# Allegro board LED_FIN.brd (continued)
## Routing (per net, layer and track width the routed paths; a pad name or vN(x,y) marks a point on that pad's centre or on a via; arc(x,y) is an arc through that point) (continued)
COL_OUT_A93: length 259.4
  TOP w0.15: D297.1 v1(91.25,374.8) ; D57.1 v1(91.25,390.8) ; D447.1 v1(91.25,364.8) ; D837.1 v1(91.25,338.8) ; D537.1 v1(91.25,358.8) ; D1017.1 v1(91.25,326.8) ; v1(89.95,161.1) R27.1 ; D1077.1 v1(91.25,322.8) ; D357.1 v1(91.25,370.8) ; D657.1 v1(91.25,350.8) ; D117.1 v1(91.25,386.8) ; D897.1 v1(91.25,334.8) ; D1047.1 v1(91.25,324.8) ; D267.1 v1(91.25,376.8) ; D687.1 v1(91.25,348.8) ; D567.1 v1(91.25,356.8) ; D597.1 v1(91.25,354.8) ; D417.1 v1(91.25,366.8) ; D477.1 v1(91.25,362.8) ; D177.1 v1(91.25,382.8) ; D867.1 v1(91.25,336.8) ; D987.1 v1(91.25,328.8) ; D87.1 v1(91.25,388.8) ; D27.1 v1(91.25,392.8) ; D747.1 v1(91.25,344.8) ; D807.1 v1(91.25,340.8) ; D507.1 v1(91.25,360.8) ; D147.1 v1(91.25,384.8) ; D627.1 v1(91.25,352.8) ; D387.1 v1(91.25,368.8) ; D957.1 v1(91.25,330.8) ; D237.1 v1(91.25,378.8) ; D1137.1 v1(91.25,318.8) ; D927.1 v1(91.25,332.8) ; D717.1 v1(91.25,346.8) ; D207.1 v1(91.25,380.8) ; D327.1 v1(91.25,372.8) ; D1107.1 v1(91.25,320.8) ; D777.1 v1(91.25,342.8)
  BOTTOM w0.15: v1(91.25,392.8) v1(91.25,390.8) v1(91.25,388.8) v1(91.25,386.8) v1(91.25,384.8) v1(91.25,382.8) v1(91.25,380.8) v1(91.25,378.8) v1(91.25,376.8) v1(91.25,374.8) v1(91.25,372.8) v1(91.25,370.8) v1(91.25,368.8) v1(91.25,366.8) v1(91.25,364.8) v1(91.25,362.8) v1(91.25,360.8) v1(91.25,358.8) v1(91.25,356.8) v1(91.25,354.8) v1(91.25,352.8) v1(91.25,350.8) v1(91.25,348.8) v1(91.25,346.8) v1(91.25,344.8) v1(91.25,342.8) v1(91.25,340.8) v1(91.25,338.8) v1(91.25,336.8) v1(91.25,334.8) v1(91.25,332.8) v1(91.25,330.8) v1(91.25,328.8) v1(91.25,326.8) v1(91.25,324.8) v1(91.25,322.8) v1(91.25,320.8) v1(91.25,318.8) 89.95,317.5 v1(89.95,161.1)
COL_OUT_A94: length 259.4
  TOP w0.15: D86.1 v1(89.25,388.8) ; D686.1 v1(89.25,348.8) ; D176.1 v1(89.25,382.8) ; D836.1 v1(89.25,338.8) ; D296.1 v1(89.25,374.8) ; D1076.1 v1(89.25,322.8) ; D416.1 v1(89.25,366.8) ; D1046.1 v1(89.25,324.8) ; D356.1 v1(89.25,370.8) ; D26.1 v1(89.25,392.8) ; D1136.1 v1(89.25,318.8) ; D716.1 v1(89.25,346.8) ; D896.1 v1(89.25,334.8) ; D926.1 v1(89.25,332.8) ; D536.1 v1(89.25,358.8) ; D206.1 v1(89.25,380.8) ; D626.1 v1(89.25,352.8) ; D806.1 v1(89.25,340.8) ; D116.1 v1(89.25,386.8) ; D776.1 v1(89.25,342.8) ; D986.1 v1(89.25,328.8) ; D506.1 v1(89.25,360.8) ; v1(87.95,161.1) R26.1 ; D326.1 v1(89.25,372.8) ; D566.1 v1(89.25,356.8) ; D386.1 v1(89.25,368.8) ; D656.1 v1(89.25,350.8) ; D476.1 v1(89.25,362.8) ; D746.1 v1(89.25,344.8) ; D236.1 v1(89.25,378.8) ; D446.1 v1(89.25,364.8) ; D56.1 v1(89.25,390.8) ; D866.1 v1(89.25,336.8) ; D1016.1 v1(89.25,326.8) ; D596.1 v1(89.25,354.8) ; D1106.1 v1(89.25,320.8) ; D146.1 v1(89.25,384.8) ; D266.1 v1(89.25,376.8) ; D956.1 v1(89.25,330.8)
  BOTTOM w0.15: v1(87.95,161.1) 87.95,317.5 v1(89.25,318.8) v1(89.25,320.8) v1(89.25,322.8) v1(89.25,324.8) v1(89.25,326.8) v1(89.25,328.8) v1(89.25,330.8) v1(89.25,332.8) v1(89.25,334.8) v1(89.25,336.8) v1(89.25,338.8) v1(89.25,340.8) v1(89.25,342.8) v1(89.25,344.8) v1(89.25,346.8) v1(89.25,348.8) v1(89.25,350.8) v1(89.25,352.8) v1(89.25,354.8) v1(89.25,356.8) v1(89.25,358.8) v1(89.25,360.8) v1(89.25,362.8) v1(89.25,364.8) v1(89.25,366.8) v1(89.25,368.8) v1(89.25,370.8) v1(89.25,372.8) v1(89.25,374.8) v1(89.25,376.8) v1(89.25,378.8) v1(89.25,380.8) v1(89.25,382.8) v1(89.25,384.8) v1(89.25,386.8) v1(89.25,388.8) v1(89.25,390.8) v1(89.25,392.8)
COL_OUT_A95: length 259.4
  TOP w0.15: D1105.1 v1(87.25,320.8) ; D355.1 v1(87.25,370.8) ; D895.1 v1(87.25,334.8) ; D775.1 v1(87.25,342.8) ; D955.1 v1(87.25,330.8) ; D175.1 v1(87.25,382.8) ; D925.1 v1(87.25,332.8) ; D1015.1 v1(87.25,326.8) ; D55.1 v1(87.25,390.8) ; D385.1 v1(87.25,368.8) ; D835.1 v1(87.25,338.8) ; D205.1 v1(87.25,380.8) ; D1075.1 v1(87.25,322.8) ; D535.1 v1(87.25,358.8) ; D1045.1 v1(87.25,324.8) ; D565.1 v1(87.25,356.8) ; D25.1 v1(87.25,392.8) ; D445.1 v1(87.25,364.8) ; D745.1 v1(87.25,344.8) ; D715.1 v1(87.25,346.8) ; D595.1 v1(87.25,354.8) ; D235.1 v1(87.25,378.8) ; D85.1 v1(87.25,388.8) ; D265.1 v1(87.25,376.8) ; D685.1 v1(87.25,348.8) ; D865.1 v1(87.25,336.8) ; D415.1 v1(87.25,366.8) ; D475.1 v1(87.25,362.8) ; v1(85.95,161.1) R25.1 ; D1135.1 v1(87.25,318.8) ; D145.1 v1(87.25,384.8) ; D625.1 v1(87.25,352.8) ; D805.1 v1(87.25,340.8) ; D985.1 v1(87.25,328.8) ; D325.1 v1(87.25,372.8) ; D115.1 v1(87.25,386.8) ; D505.1 v1(87.25,360.8) ; D655.1 v1(87.25,350.8) ; D295.1 v1(87.25,374.8)
  BOTTOM w0.15: v1(85.95,161.1) 85.95,317.5 v1(87.25,318.8) v1(87.25,320.8) v1(87.25,322.8) v1(87.25,324.8) v1(87.25,326.8) v1(87.25,328.8) v1(87.25,330.8) v1(87.25,332.8) v1(87.25,334.8) v1(87.25,336.8) v1(87.25,338.8) v1(87.25,340.8) v1(87.25,342.8) v1(87.25,344.8) v1(87.25,346.8) v1(87.25,348.8) v1(87.25,350.8) v1(87.25,352.8) v1(87.25,354.8) v1(87.25,356.8) v1(87.25,358.8) v1(87.25,360.8) v1(87.25,362.8) v1(87.25,364.8) v1(87.25,366.8) v1(87.25,368.8) v1(87.25,370.8) v1(87.25,372.8) v1(87.25,374.8) v1(87.25,376.8) v1(87.25,378.8) v1(87.25,380.8) v1(87.25,382.8) v1(87.25,384.8) v1(87.25,386.8) v1(87.25,388.8) v1(87.25,390.8) v1(87.25,392.8)
COL_OUT_A96: length 259.4
  TOP w0.15: D804.1 v1(85.25,340.8) ; D474.1 v1(85.25,362.8) ; D624.1 v1(85.25,352.8) ; D84.1 v1(85.25,388.8) ; D444.1 v1(85.25,364.8) ; D654.1 v1(85.25,350.8) ; D24.1 v1(85.25,392.8) ; D1104.1 v1(85.25,320.8) ; D354.1 v1(85.25,370.8) ; D1074.1 v1(85.25,322.8) ; D924.1 v1(85.25,332.8) ; D504.1 v1(85.25,360.8) ; D534.1 v1(85.25,358.8) ; D714.1 v1(85.25,346.8) ; D174.1 v1(85.25,382.8) ; D234.1 v1(85.25,378.8) ; D264.1 v1(85.25,376.8) ; D384.1 v1(85.25,368.8) ; D774.1 v1(85.25,342.8) ; D294.1 v1(85.25,374.8) ; v1(83.95,161.1) R24.1 ; D894.1 v1(85.25,334.8) ; D1134.1 v1(85.25,318.8) ; D1044.1 v1(85.25,324.8) ; D984.1 v1(85.25,328.8) ; D684.1 v1(85.25,348.8) ; D564.1 v1(85.25,356.8) ; D114.1 v1(85.25,386.8) ; D324.1 v1(85.25,372.8) ; D204.1 v1(85.25,380.8) ; D864.1 v1(85.25,336.8) ; D594.1 v1(85.25,354.8) ; D54.1 v1(85.25,390.8) ; D954.1 v1(85.25,330.8) ; D1014.1 v1(85.25,326.8) ; D744.1 v1(85.25,344.8) ; D414.1 v1(85.25,366.8) ; D834.1 v1(85.25,338.8) ; D144.1 v1(85.25,384.8)
  BOTTOM w0.15: v1(85.25,392.8) v1(85.25,390.8) v1(85.25,388.8) v1(85.25,386.8) v1(85.25,384.8) v1(85.25,382.8) v1(85.25,380.8) v1(85.25,378.8) v1(85.25,376.8) v1(85.25,374.8) v1(85.25,372.8) v1(85.25,370.8) v1(85.25,368.8) v1(85.25,366.8) v1(85.25,364.8) v1(85.25,362.8) v1(85.25,360.8) v1(85.25,358.8) v1(85.25,356.8) v1(85.25,354.8) v1(85.25,352.8) v1(85.25,350.8) v1(85.25,348.8) v1(85.25,346.8) v1(85.25,344.8) v1(85.25,342.8) v1(85.25,340.8) v1(85.25,338.8) v1(85.25,336.8) v1(85.25,334.8) v1(85.25,332.8) v1(85.25,330.8) v1(85.25,328.8) v1(85.25,326.8) v1(85.25,324.8) v1(85.25,322.8) v1(85.25,320.8) v1(85.25,318.8) 83.95,317.5 v1(83.95,161.1)
COL_OUT_A97: length 259.4
  TOP w0.15: D1073.1 v1(83.25,322.8) ; D443.1 v1(83.25,364.8) ; D113.1 v1(83.25,386.8) ; D383.1 v1(83.25,368.8) ; D593.1 v1(83.25,354.8) ; D533.1 v1(83.25,358.8) ; D743.1 v1(83.25,344.8) ; D203.1 v1(83.25,380.8) ; D413.1 v1(83.25,366.8) ; D23.1 v1(83.25,392.8) ; D473.1 v1(83.25,362.8) ; D623.1 v1(83.25,352.8) ; D83.1 v1(83.25,388.8) ; D503.1 v1(83.25,360.8) ; D263.1 v1(83.25,376.8) ; D833.1 v1(83.25,338.8) ; D1013.1 v1(83.25,326.8) ; D293.1 v1(83.25,374.8) ; D233.1 v1(83.25,378.8) ; D1103.1 v1(83.25,320.8) ; D653.1 v1(83.25,350.8) ; D773.1 v1(83.25,342.8) ; D563.1 v1(83.25,356.8) ; D893.1 v1(83.25,334.8) ; D983.1 v1(83.25,328.8) ; D1043.1 v1(83.25,324.8) ; D173.1 v1(83.25,382.8) ; D803.1 v1(83.25,340.8) ; D143.1 v1(83.25,384.8) ; D923.1 v1(83.25,332.8) ; D953.1 v1(83.25,330.8) ; D713.1 v1(83.25,346.8) ; D683.1 v1(83.25,348.8) ; D323.1 v1(83.25,372.8) ; D863.1 v1(83.25,336.8) ; D353.1 v1(83.25,370.8) ; v1(81.95,161.1) R23.1 ; D53.1 v1(83.25,390.8) ; D1133.1 v1(83.25,318.8)
  BOTTOM w0.15: v1(81.95,161.1) 81.95,317.5 v1(83.25,318.8) v1(83.25,320.8) v1(83.25,322.8) v1(83.25,324.8) v1(83.25,326.8) v1(83.25,328.8) v1(83.25,330.8) v1(83.25,332.8) v1(83.25,334.8) v1(83.25,336.8) v1(83.25,338.8) v1(83.25,340.8) v1(83.25,342.8) v1(83.25,344.8) v1(83.25,346.8) v1(83.25,348.8) v1(83.25,350.8) v1(83.25,352.8) v1(83.25,354.8) v1(83.25,356.8) v1(83.25,358.8) v1(83.25,360.8) v1(83.25,362.8) v1(83.25,364.8) v1(83.25,366.8) v1(83.25,368.8) v1(83.25,370.8) v1(83.25,372.8) v1(83.25,374.8) v1(83.25,376.8) v1(83.25,378.8) v1(83.25,380.8) v1(83.25,382.8) v1(83.25,384.8) v1(83.25,386.8) v1(83.25,388.8) v1(83.25,390.8) v1(83.25,392.8)
COL_OUT_A98: length 259.4
  TOP w0.15: D172.1 v1(81.25,382.8) ; D1102.1 v1(81.25,320.8) ; D652.1 v1(81.25,350.8) ; D832.1 v1(81.25,338.8) ; D292.1 v1(81.25,374.8) ; D682.1 v1(81.25,348.8) ; D952.1 v1(81.25,330.8) ; D202.1 v1(81.25,380.8) ; D322.1 v1(81.25,372.8) ; D1132.1 v1(81.25,318.8) ; D232.1 v1(81.25,378.8) ; v1(79.95,161.1) R22.1 ; D1042.1 v1(81.25,324.8) ; D592.1 v1(81.25,354.8) ; D22.1 v1(81.25,392.8) ; D442.1 v1(81.25,364.8) ; D802.1 v1(81.25,340.8) ; D862.1 v1(81.25,336.8) ; D712.1 v1(81.25,346.8) ; D1072.1 v1(81.25,322.8) ; D1012.1 v1(81.25,326.8) ; D472.1 v1(81.25,362.8) ; D412.1 v1(81.25,366.8) ; D892.1 v1(81.25,334.8) ; D262.1 v1(81.25,376.8) ; D142.1 v1(81.25,384.8) ; D742.1 v1(81.25,344.8) ; D562.1 v1(81.25,356.8) ; D112.1 v1(81.25,386.8) ; D502.1 v1(81.25,360.8) ; D982.1 v1(81.25,328.8) ; D922.1 v1(81.25,332.8) ; D532.1 v1(81.25,358.8) ; D352.1 v1(81.25,370.8) ; D622.1 v1(81.25,352.8) ; D772.1 v1(81.25,342.8) ; D82.1 v1(81.25,388.8) ; D382.1 v1(81.25,368.8) ; D52.1 v1(81.25,390.8)
  BOTTOM w0.15: v1(81.25,392.8) v1(81.25,390.8) v1(81.25,388.8) v1(81.25,386.8) v1(81.25,384.8) v1(81.25,382.8) v1(81.25,380.8) v1(81.25,378.8) v1(81.25,376.8) v1(81.25,374.8) v1(81.25,372.8) v1(81.25,370.8) v1(81.25,368.8) v1(81.25,366.8) v1(81.25,364.8) v1(81.25,362.8) v1(81.25,360.8) v1(81.25,358.8) v1(81.25,356.8) v1(81.25,354.8) v1(81.25,352.8) v1(81.25,350.8) v1(81.25,348.8) v1(81.25,346.8) v1(81.25,344.8) v1(81.25,342.8) v1(81.25,340.8) v1(81.25,338.8) v1(81.25,336.8) v1(81.25,334.8) v1(81.25,332.8) v1(81.25,330.8) v1(81.25,328.8) v1(81.25,326.8) v1(81.25,324.8) v1(81.25,322.8) v1(81.25,320.8) v1(81.25,318.8) 79.95,317.5 v1(79.95,161.1)
COL_OUT_A99: length 259.4
  TOP w0.15: D321.1 v1(79.25,372.8) ; D1131.1 v1(79.25,318.8) ; D801.1 v1(79.25,340.8) ; D561.1 v1(79.25,356.8) ; D411.1 v1(79.25,366.8) ; D591.1 v1(79.25,354.8) ; D201.1 v1(79.25,380.8) ; D651.1 v1(79.25,350.8) ; D171.1 v1(79.25,382.8) ; D381.1 v1(79.25,368.8) ; D771.1 v1(79.25,342.8) ; D501.1 v1(79.25,360.8) ; D81.1 v1(79.25,388.8) ; v1(77.95,161.1) R21.1 ; D441.1 v1(79.25,364.8) ; D261.1 v1(79.25,376.8) ; D891.1 v1(79.25,334.8) ; D1041.1 v1(79.25,324.8) ; D231.1 v1(79.25,378.8) ; D1101.1 v1(79.25,320.8) ; D1071.1 v1(79.25,322.8) ; D921.1 v1(79.25,332.8) ; D1011.1 v1(79.25,326.8) ; D951.1 v1(79.25,330.8) ; D861.1 v1(79.25,336.8) ; D981.1 v1(79.25,328.8) ; D291.1 v1(79.25,374.8) ; D621.1 v1(79.25,352.8) ; D471.1 v1(79.25,362.8) ; D21.1 v1(79.25,392.8) ; D531.1 v1(79.25,358.8) ; D51.1 v1(79.25,390.8) ; D741.1 v1(79.25,344.8) ; D351.1 v1(79.25,370.8) ; D681.1 v1(79.25,348.8) ; D711.1 v1(79.25,346.8) ; D831.1 v1(79.25,338.8) ; D111.1 v1(79.25,386.8) ; D141.1 v1(79.25,384.8)
  BOTTOM w0.15: v1(77.95,161.1) 77.95,317.5 v1(79.25,318.8) v1(79.25,320.8) v1(79.25,322.8) v1(79.25,324.8) v1(79.25,326.8) v1(79.25,328.8) v1(79.25,330.8) v1(79.25,332.8) v1(79.25,334.8) v1(79.25,336.8) v1(79.25,338.8) v1(79.25,340.8) v1(79.25,342.8) v1(79.25,344.8) v1(79.25,346.8) v1(79.25,348.8) v1(79.25,350.8) v1(79.25,352.8) v1(79.25,354.8) v1(79.25,356.8) v1(79.25,358.8) v1(79.25,360.8) v1(79.25,362.8) v1(79.25,364.8) v1(79.25,366.8) v1(79.25,368.8) v1(79.25,370.8) v1(79.25,372.8) v1(79.25,374.8) v1(79.25,376.8) v1(79.25,378.8) v1(79.25,380.8) v1(79.25,382.8) v1(79.25,384.8) v1(79.25,386.8) v1(79.25,388.8) v1(79.25,390.8) v1(79.25,392.8)
COL_OUT_A100: length 259.4
  TOP w0.15: D1040.1 v1(77.25,324.8) ; D350.1 v1(77.25,370.8) ; D80.1 v1(77.25,388.8) ; D410.1 v1(77.25,366.8) ; v1(75.95,161.1) R20.1 ; D170.1 v1(77.25,382.8) ; D890.1 v1(77.25,334.8) ; D110.1 v1(77.25,386.8) ; D800.1 v1(77.25,340.8) ; D320.1 v1(77.25,372.8) ; D200.1 v1(77.25,380.8) ; D1010.1 v1(77.25,326.8) ; D470.1 v1(77.25,362.8) ; D290.1 v1(77.25,374.8) ; D620.1 v1(77.25,352.8) ; D140.1 v1(77.25,384.8) ; D20.1 v1(77.25,392.8) ; D1100.1 v1(77.25,320.8) ; D530.1 v1(77.25,358.8) ; D560.1 v1(77.25,356.8) ; D920.1 v1(77.25,332.8) ; D830.1 v1(77.25,338.8) ; D260.1 v1(77.25,376.8) ; D230.1 v1(77.25,378.8) ; D740.1 v1(77.25,344.8) ; D770.1 v1(77.25,342.8) ; D950.1 v1(77.25,330.8) ; D980.1 v1(77.25,328.8) ; D680.1 v1(77.25,348.8) ; D590.1 v1(77.25,354.8) ; D650.1 v1(77.25,350.8) ; D1070.1 v1(77.25,322.8) ; D860.1 v1(77.25,336.8) ; D440.1 v1(77.25,364.8) ; D380.1 v1(77.25,368.8) ; D50.1 v1(77.25,390.8) ; D1130.1 v1(77.25,318.8) ; D500.1 v1(77.25,360.8) ; D710.1 v1(77.25,346.8)
  BOTTOM w0.15: v1(75.95,161.1) 75.95,317.5 v1(77.25,318.8) v1(77.25,320.8) v1(77.25,322.8) v1(77.25,324.8) v1(77.25,326.8) v1(77.25,328.8) v1(77.25,330.8) v1(77.25,332.8) v1(77.25,334.8) v1(77.25,336.8) v1(77.25,338.8) v1(77.25,340.8) v1(77.25,342.8) v1(77.25,344.8) v1(77.25,346.8) v1(77.25,348.8) v1(77.25,350.8) v1(77.25,352.8) v1(77.25,354.8) v1(77.25,356.8) v1(77.25,358.8) v1(77.25,360.8) v1(77.25,362.8) v1(77.25,364.8) v1(77.25,366.8) v1(77.25,368.8) v1(77.25,370.8) v1(77.25,372.8) v1(77.25,374.8) v1(77.25,376.8) v1(77.25,378.8) v1(77.25,380.8) v1(77.25,382.8) v1(77.25,384.8) v1(77.25,386.8) v1(77.25,388.8) v1(77.25,390.8) v1(77.25,392.8)
COL_OUT_A101: length 259.4
  TOP w0.15: D499.1 v1(75.25,360.8) ; D289.1 v1(75.25,374.8) ; D829.1 v1(75.25,338.8) ; D529.1 v1(75.25,358.8) ; D109.1 v1(75.25,386.8) ; D919.1 v1(75.25,332.8) ; D949.1 v1(75.25,330.8) ; D199.1 v1(75.25,380.8) ; D349.1 v1(75.25,370.8) ; D19.1 v1(75.25,392.8) ; D619.1 v1(75.25,352.8) ; D979.1 v1(75.25,328.8) ; D229.1 v1(75.25,378.8) ; D799.1 v1(75.25,340.8) ; D859.1 v1(75.25,336.8) ; D319.1 v1(75.25,372.8) ; D79.1 v1(75.25,388.8) ; D169.1 v1(75.25,382.8) ; v1(73.95,161.1) R19.1 ; D1069.1 v1(75.25,322.8) ; D139.1 v1(75.25,384.8) ; D1009.1 v1(75.25,326.8) ; D259.1 v1(75.25,376.8) ; D379.1 v1(75.25,368.8) ; D1099.1 v1(75.25,320.8) ; D1039.1 v1(75.25,324.8) ; D49.1 v1(75.25,390.8) ; D739.1 v1(75.25,344.8) ; D469.1 v1(75.25,362.8) ; D889.1 v1(75.25,334.8) ; D589.1 v1(75.25,354.8) ; D769.1 v1(75.25,342.8) ; D559.1 v1(75.25,356.8) ; D649.1 v1(75.25,350.8) ; D1129.1 v1(75.25,318.8) ; D409.1 v1(75.25,366.8) ; D709.1 v1(75.25,346.8) ; D679.1 v1(75.25,348.8) ; D439.1 v1(75.25,364.8)
  BOTTOM w0.15: v1(73.95,161.1) 73.95,317.5 v1(75.25,318.8) v1(75.25,320.8) v1(75.25,322.8) v1(75.25,324.8) v1(75.25,326.8) v1(75.25,328.8) v1(75.25,330.8) v1(75.25,332.8) v1(75.25,334.8) v1(75.25,336.8) v1(75.25,338.8) v1(75.25,340.8) v1(75.25,342.8) v1(75.25,344.8) v1(75.25,346.8) v1(75.25,348.8) v1(75.25,350.8) v1(75.25,352.8) v1(75.25,354.8) v1(75.25,356.8) v1(75.25,358.8) v1(75.25,360.8) v1(75.25,362.8) v1(75.25,364.8) v1(75.25,366.8) v1(75.25,368.8) v1(75.25,370.8) v1(75.25,372.8) v1(75.25,374.8) v1(75.25,376.8) v1(75.25,378.8) v1(75.25,380.8) v1(75.25,382.8) v1(75.25,384.8) v1(75.25,386.8) v1(75.25,388.8) v1(75.25,390.8) v1(75.25,392.8)
COL_OUT_A102: length 259.4
  TOP w0.15: D618.1 v1(73.25,352.8) ; D168.1 v1(73.25,382.8) ; D468.1 v1(73.25,362.8) ; D738.1 v1(73.25,344.8) ; D888.1 v1(73.25,334.8) ; D228.1 v1(73.25,378.8) ; D528.1 v1(73.25,358.8) ; D48.1 v1(73.25,390.8) ; v1(71.95,161.1) R18.1 ; D498.1 v1(73.25,360.8) ; D588.1 v1(73.25,354.8) ; D858.1 v1(73.25,336.8) ; D138.1 v1(73.25,384.8) ; D948.1 v1(73.25,330.8) ; D678.1 v1(73.25,348.8) ; D258.1 v1(73.25,376.8) ; D348.1 v1(73.25,370.8) ; D318.1 v1(73.25,372.8) ; D108.1 v1(73.25,386.8) ; D918.1 v1(73.25,332.8) ; D558.1 v1(73.25,356.8) ; D438.1 v1(73.25,364.8) ; D78.1 v1(73.25,388.8) ; D978.1 v1(73.25,328.8) ; D828.1 v1(73.25,338.8) ; D648.1 v1(73.25,350.8) ; D708.1 v1(73.25,346.8) ; D18.1 v1(73.25,392.8) ; D378.1 v1(73.25,368.8) ; D798.1 v1(73.25,340.8) ; D1008.1 v1(73.25,326.8) ; D1038.1 v1(73.25,324.8) ; D408.1 v1(73.25,366.8) ; D768.1 v1(73.25,342.8) ; D288.1 v1(73.25,374.8) ; D1128.1 v1(73.25,318.8) ; D1098.1 v1(73.25,320.8) ; D198.1 v1(73.25,380.8) ; D1068.1 v1(73.25,322.8)
  BOTTOM w0.15: v1(73.25,392.8) v1(73.25,390.8) v1(73.25,388.8) v1(73.25,386.8) v1(73.25,384.8) v1(73.25,382.8) v1(73.25,380.8) v1(73.25,378.8) v1(73.25,376.8) v1(73.25,374.8) v1(73.25,372.8) v1(73.25,370.8) v1(73.25,368.8) v1(73.25,366.8) v1(73.25,364.8) v1(73.25,362.8) v1(73.25,360.8) v1(73.25,358.8) v1(73.25,356.8) v1(73.25,354.8) v1(73.25,352.8) v1(73.25,350.8) v1(73.25,348.8) v1(73.25,346.8) v1(73.25,344.8) v1(73.25,342.8) v1(73.25,340.8) v1(73.25,338.8) v1(73.25,336.8) v1(73.25,334.8) v1(73.25,332.8) v1(73.25,330.8) v1(73.25,328.8) v1(73.25,326.8) v1(73.25,324.8) v1(73.25,322.8) v1(73.25,320.8) v1(73.25,318.8) 71.95,317.5 v1(71.95,161.1)
COL_OUT_A103: length 259.4
  TOP w0.15: D647.1 v1(71.25,350.8) ; D587.1 v1(71.25,354.8) ; D947.1 v1(71.25,330.8) ; D107.1 v1(71.25,386.8) ; D347.1 v1(71.25,370.8) ; D1067.1 v1(71.25,322.8) ; D617.1 v1(71.25,352.8) ; D1127.1 v1(71.25,318.8) ; D407.1 v1(71.25,366.8) ; D227.1 v1(71.25,378.8) ; D167.1 v1(71.25,382.8) ; D1007.1 v1(71.25,326.8) ; v1(69.95,161.1) R17.1 ; D437.1 v1(71.25,364.8) ; D917.1 v1(71.25,332.8) ; D77.1 v1(71.25,388.8) ; D317.1 v1(71.25,372.8) ; D677.1 v1(71.25,348.8) ; D467.1 v1(71.25,362.8) ; D887.1 v1(71.25,334.8) ; D257.1 v1(71.25,376.8) ; D197.1 v1(71.25,380.8) ; D287.1 v1(71.25,374.8) ; D797.1 v1(71.25,340.8) ; D1037.1 v1(71.25,324.8) ; D497.1 v1(71.25,360.8) ; D47.1 v1(71.25,390.8) ; D1097.1 v1(71.25,320.8) ; D557.1 v1(71.25,356.8) ; D17.1 v1(71.25,392.8) ; D827.1 v1(71.25,338.8) ; D857.1 v1(71.25,336.8) ; D137.1 v1(71.25,384.8) ; D707.1 v1(71.25,346.8) ; D527.1 v1(71.25,358.8) ; D767.1 v1(71.25,342.8) ; D977.1 v1(71.25,328.8) ; D377.1 v1(71.25,368.8) ; D737.1 v1(71.25,344.8)
  BOTTOM w0.15: v1(71.25,392.8) v1(71.25,390.8) v1(71.25,388.8) v1(71.25,386.8) v1(71.25,384.8) v1(71.25,382.8) v1(71.25,380.8) v1(71.25,378.8) v1(71.25,376.8) v1(71.25,374.8) v1(71.25,372.8) v1(71.25,370.8) v1(71.25,368.8) v1(71.25,366.8) v1(71.25,364.8) v1(71.25,362.8) v1(71.25,360.8) v1(71.25,358.8) v1(71.25,356.8) v1(71.25,354.8) v1(71.25,352.8) v1(71.25,350.8) v1(71.25,348.8) v1(71.25,346.8) v1(71.25,344.8) v1(71.25,342.8) v1(71.25,340.8) v1(71.25,338.8) v1(71.25,336.8) v1(71.25,334.8) v1(71.25,332.8) v1(71.25,330.8) v1(71.25,328.8) v1(71.25,326.8) v1(71.25,324.8) v1(71.25,322.8) v1(71.25,320.8) v1(71.25,318.8) 69.95,317.5 v1(69.95,161.1)
COL_OUT_A104: length 259.4
  TOP w0.15: D496.1 v1(69.25,360.8) ; D676.1 v1(69.25,348.8) ; D316.1 v1(69.25,372.8) ; D916.1 v1(69.25,332.8) ; D1006.1 v1(69.25,326.8) ; D646.1 v1(69.25,350.8) ; D616.1 v1(69.25,352.8) ; D1036.1 v1(69.25,324.8) ; D1066.1 v1(69.25,322.8) ; D1126.1 v1(69.25,318.8) ; D586.1 v1(69.25,354.8) ; D466.1 v1(69.25,362.8) ; D46.1 v1(69.25,390.8) ; D826.1 v1(69.25,338.8) ; D886.1 v1(69.25,334.8) ; D346.1 v1(69.25,370.8) ; D1096.1 v1(69.25,320.8) ; D946.1 v1(69.25,330.8) ; D556.1 v1(69.25,356.8) ; D136.1 v1(69.25,384.8) ; D706.1 v1(69.25,346.8) ; D166.1 v1(69.25,382.8) ; D76.1 v1(69.25,388.8) ; D286.1 v1(69.25,374.8) ; D856.1 v1(69.25,336.8) ; D436.1 v1(69.25,364.8) ; D16.1 v1(69.25,392.8) ; D736.1 v1(69.25,344.8) ; v1(67.95,161.1) R16.1 ; D196.1 v1(69.25,380.8) ; D376.1 v1(69.25,368.8) ; D766.1 v1(69.25,342.8) ; D256.1 v1(69.25,376.8) ; D526.1 v1(69.25,358.8) ; D226.1 v1(69.25,378.8) ; D976.1 v1(69.25,328.8) ; D796.1 v1(69.25,340.8) ; D406.1 v1(69.25,366.8) ; D106.1 v1(69.25,386.8)
  BOTTOM w0.15: v1(67.95,161.1) 67.95,317.5 v1(69.25,318.8) v1(69.25,320.8) v1(69.25,322.8) v1(69.25,324.8) v1(69.25,326.8) v1(69.25,328.8) v1(69.25,330.8) v1(69.25,332.8) v1(69.25,334.8) v1(69.25,336.8) v1(69.25,338.8) v1(69.25,340.8) v1(69.25,342.8) v1(69.25,344.8) v1(69.25,346.8) v1(69.25,348.8) v1(69.25,350.8) v1(69.25,352.8) v1(69.25,354.8) v1(69.25,356.8) v1(69.25,358.8) v1(69.25,360.8) v1(69.25,362.8) v1(69.25,364.8) v1(69.25,366.8) v1(69.25,368.8) v1(69.25,370.8) v1(69.25,372.8) v1(69.25,374.8) v1(69.25,376.8) v1(69.25,378.8) v1(69.25,380.8) v1(69.25,382.8) v1(69.25,384.8) v1(69.25,386.8) v1(69.25,388.8) v1(69.25,390.8) v1(69.25,392.8)
COL_OUT_A105: length 259.4
  TOP w0.15: D555.1 v1(67.25,356.8) ; D1095.1 v1(67.25,320.8) ; D795.1 v1(67.25,340.8) ; D195.1 v1(67.25,380.8) ; D1005.1 v1(67.25,326.8) ; D75.1 v1(67.25,388.8) ; D615.1 v1(67.25,352.8) ; D375.1 v1(67.25,368.8) ; D675.1 v1(67.25,348.8) ; D735.1 v1(67.25,344.8) ; D495.1 v1(67.25,360.8) ; D525.1 v1(67.25,358.8) ; D1065.1 v1(67.25,322.8) ; D705.1 v1(67.25,346.8) ; D465.1 v1(67.25,362.8) ; D315.1 v1(67.25,372.8) ; D1035.1 v1(67.25,324.8) ; D135.1 v1(67.25,384.8) ; D345.1 v1(67.25,370.8) ; D765.1 v1(67.25,342.8) ; D105.1 v1(67.25,386.8) ; D405.1 v1(67.25,366.8) ; D255.1 v1(67.25,376.8) ; D975.1 v1(67.25,328.8) ; D855.1 v1(67.25,336.8) ; D885.1 v1(67.25,334.8) ; D45.1 v1(67.25,390.8) ; D285.1 v1(67.25,374.8) ; v1(65.95,161.1) R15.1 ; D645.1 v1(67.25,350.8) ; D225.1 v1(67.25,378.8) ; D585.1 v1(67.25,354.8) ; D435.1 v1(67.25,364.8) ; D945.1 v1(67.25,330.8) ; D165.1 v1(67.25,382.8) ; D15.1 v1(67.25,392.8) ; D915.1 v1(67.25,332.8) ; D825.1 v1(67.25,338.8) ; D1125.1 v1(67.25,318.8)
  BOTTOM w0.15: v1(67.25,392.8) v1(67.25,390.8) v1(67.25,388.8) v1(67.25,386.8) v1(67.25,384.8) v1(67.25,382.8) v1(67.25,380.8) v1(67.25,378.8) v1(67.25,376.8) v1(67.25,374.8) v1(67.25,372.8) v1(67.25,370.8) v1(67.25,368.8) v1(67.25,366.8) v1(67.25,364.8) v1(67.25,362.8) v1(67.25,360.8) v1(67.25,358.8) v1(67.25,356.8) v1(67.25,354.8) v1(67.25,352.8) v1(67.25,350.8) v1(67.25,348.8) v1(67.25,346.8) v1(67.25,344.8) v1(67.25,342.8) v1(67.25,340.8) v1(67.25,338.8) v1(67.25,336.8) v1(67.25,334.8) v1(67.25,332.8) v1(67.25,330.8) v1(67.25,328.8) v1(67.25,326.8) v1(67.25,324.8) v1(67.25,322.8) v1(67.25,320.8) v1(67.25,318.8) 65.95,317.5 v1(65.95,161.1)
COL_OUT_A106: length 259.4
  TOP w0.15: D464.1 v1(65.25,362.8) ; D74.1 v1(65.25,388.8) ; D134.1 v1(65.25,384.8) ; D1064.1 v1(65.25,322.8) ; D944.1 v1(65.25,330.8) ; D1034.1 v1(65.25,324.8) ; D434.1 v1(65.25,364.8) ; D44.1 v1(65.25,390.8) ; D644.1 v1(65.25,350.8) ; D164.1 v1(65.25,382.8) ; D614.1 v1(65.25,352.8) ; D794.1 v1(65.25,340.8) ; D14.1 v1(65.25,392.8) ; D344.1 v1(65.25,370.8) ; D374.1 v1(65.25,368.8) ; D254.1 v1(65.25,376.8) ; D914.1 v1(65.25,332.8) ; D554.1 v1(65.25,356.8) ; D104.1 v1(65.25,386.8) ; D704.1 v1(65.25,346.8) ; D854.1 v1(65.25,336.8) ; D1124.1 v1(65.25,318.8) ; v1(63.95,161.1) R14.1 ; D764.1 v1(65.25,342.8) ; D404.1 v1(65.25,366.8) ; D494.1 v1(65.25,360.8) ; D584.1 v1(65.25,354.8) ; D194.1 v1(65.25,380.8) ; D734.1 v1(65.25,344.8) ; D674.1 v1(65.25,348.8) ; D824.1 v1(65.25,338.8) ; D1004.1 v1(65.25,326.8) ; D884.1 v1(65.25,334.8) ; D314.1 v1(65.25,372.8) ; D974.1 v1(65.25,328.8) ; D524.1 v1(65.25,358.8) ; D224.1 v1(65.25,378.8) ; D1094.1 v1(65.25,320.8) ; D284.1 v1(65.25,374.8)
  BOTTOM w0.15: v1(63.95,161.1) 63.95,317.5 v1(65.25,318.8) v1(65.25,320.8) v1(65.25,322.8) v1(65.25,324.8) v1(65.25,326.8) v1(65.25,328.8) v1(65.25,330.8) v1(65.25,332.8) v1(65.25,334.8) v1(65.25,336.8) v1(65.25,338.8) v1(65.25,340.8) v1(65.25,342.8) v1(65.25,344.8) v1(65.25,346.8) v1(65.25,348.8) v1(65.25,350.8) v1(65.25,352.8) v1(65.25,354.8) v1(65.25,356.8) v1(65.25,358.8) v1(65.25,360.8) v1(65.25,362.8) v1(65.25,364.8) v1(65.25,366.8) v1(65.25,368.8) v1(65.25,370.8) v1(65.25,372.8) v1(65.25,374.8) v1(65.25,376.8) v1(65.25,378.8) v1(65.25,380.8) v1(65.25,382.8) v1(65.25,384.8) v1(65.25,386.8) v1(65.25,388.8) v1(65.25,390.8) v1(65.25,392.8)
COL_OUT_A107: length 259.4
  TOP w0.15: D253.1 v1(63.25,376.8) ; D763.1 v1(63.25,342.8) ; D523.1 v1(63.25,358.8) ; D163.1 v1(63.25,382.8) ; D793.1 v1(63.25,340.8) ; D643.1 v1(63.25,350.8) ; D373.1 v1(63.25,368.8) ; D913.1 v1(63.25,332.8) ; D583.1 v1(63.25,354.8) ; D823.1 v1(63.25,338.8) ; D403.1 v1(63.25,366.8) ; D613.1 v1(63.25,352.8) ; D463.1 v1(63.25,362.8) ; D553.1 v1(63.25,356.8) ; D883.1 v1(63.25,334.8) ; D733.1 v1(63.25,344.8) ; D943.1 v1(63.25,330.8) ; D103.1 v1(63.25,386.8) ; D673.1 v1(63.25,348.8) ; D73.1 v1(63.25,388.8) ; v1(61.95,161.1) R13.1 ; D973.1 v1(63.25,328.8) ; D343.1 v1(63.25,370.8) ; D1093.1 v1(63.25,320.8) ; D1063.1 v1(63.25,322.8) ; D433.1 v1(63.25,364.8) ; D313.1 v1(63.25,372.8) ; D43.1 v1(63.25,390.8) ; D1033.1 v1(63.25,324.8) ; D283.1 v1(63.25,374.8) ; D1003.1 v1(63.25,326.8) ; D133.1 v1(63.25,384.8) ; D193.1 v1(63.25,380.8) ; D223.1 v1(63.25,378.8) ; D1123.1 v1(63.25,318.8) ; D13.1 v1(63.25,392.8) ; D853.1 v1(63.25,336.8) ; D493.1 v1(63.25,360.8) ; D703.1 v1(63.25,346.8)
  BOTTOM w0.15: v1(63.25,392.8) v1(63.25,390.8) v1(63.25,388.8) v1(63.25,386.8) v1(63.25,384.8) v1(63.25,382.8) v1(63.25,380.8) v1(63.25,378.8) v1(63.25,376.8) v1(63.25,374.8) v1(63.25,372.8) v1(63.25,370.8) v1(63.25,368.8) v1(63.25,366.8) v1(63.25,364.8) v1(63.25,362.8) v1(63.25,360.8) v1(63.25,358.8) v1(63.25,356.8) v1(63.25,354.8) v1(63.25,352.8) v1(63.25,350.8) v1(63.25,348.8) v1(63.25,346.8) v1(63.25,344.8) v1(63.25,342.8) v1(63.25,340.8) v1(63.25,338.8) v1(63.25,336.8) v1(63.25,334.8) v1(63.25,332.8) v1(63.25,330.8) v1(63.25,328.8) v1(63.25,326.8) v1(63.25,324.8) v1(63.25,322.8) v1(63.25,320.8) v1(63.25,318.8) 61.95,317.5 v1(61.95,161.1)